# Altium PCB SolderingStation.PcbDoc (part 2 of 2) (continued)
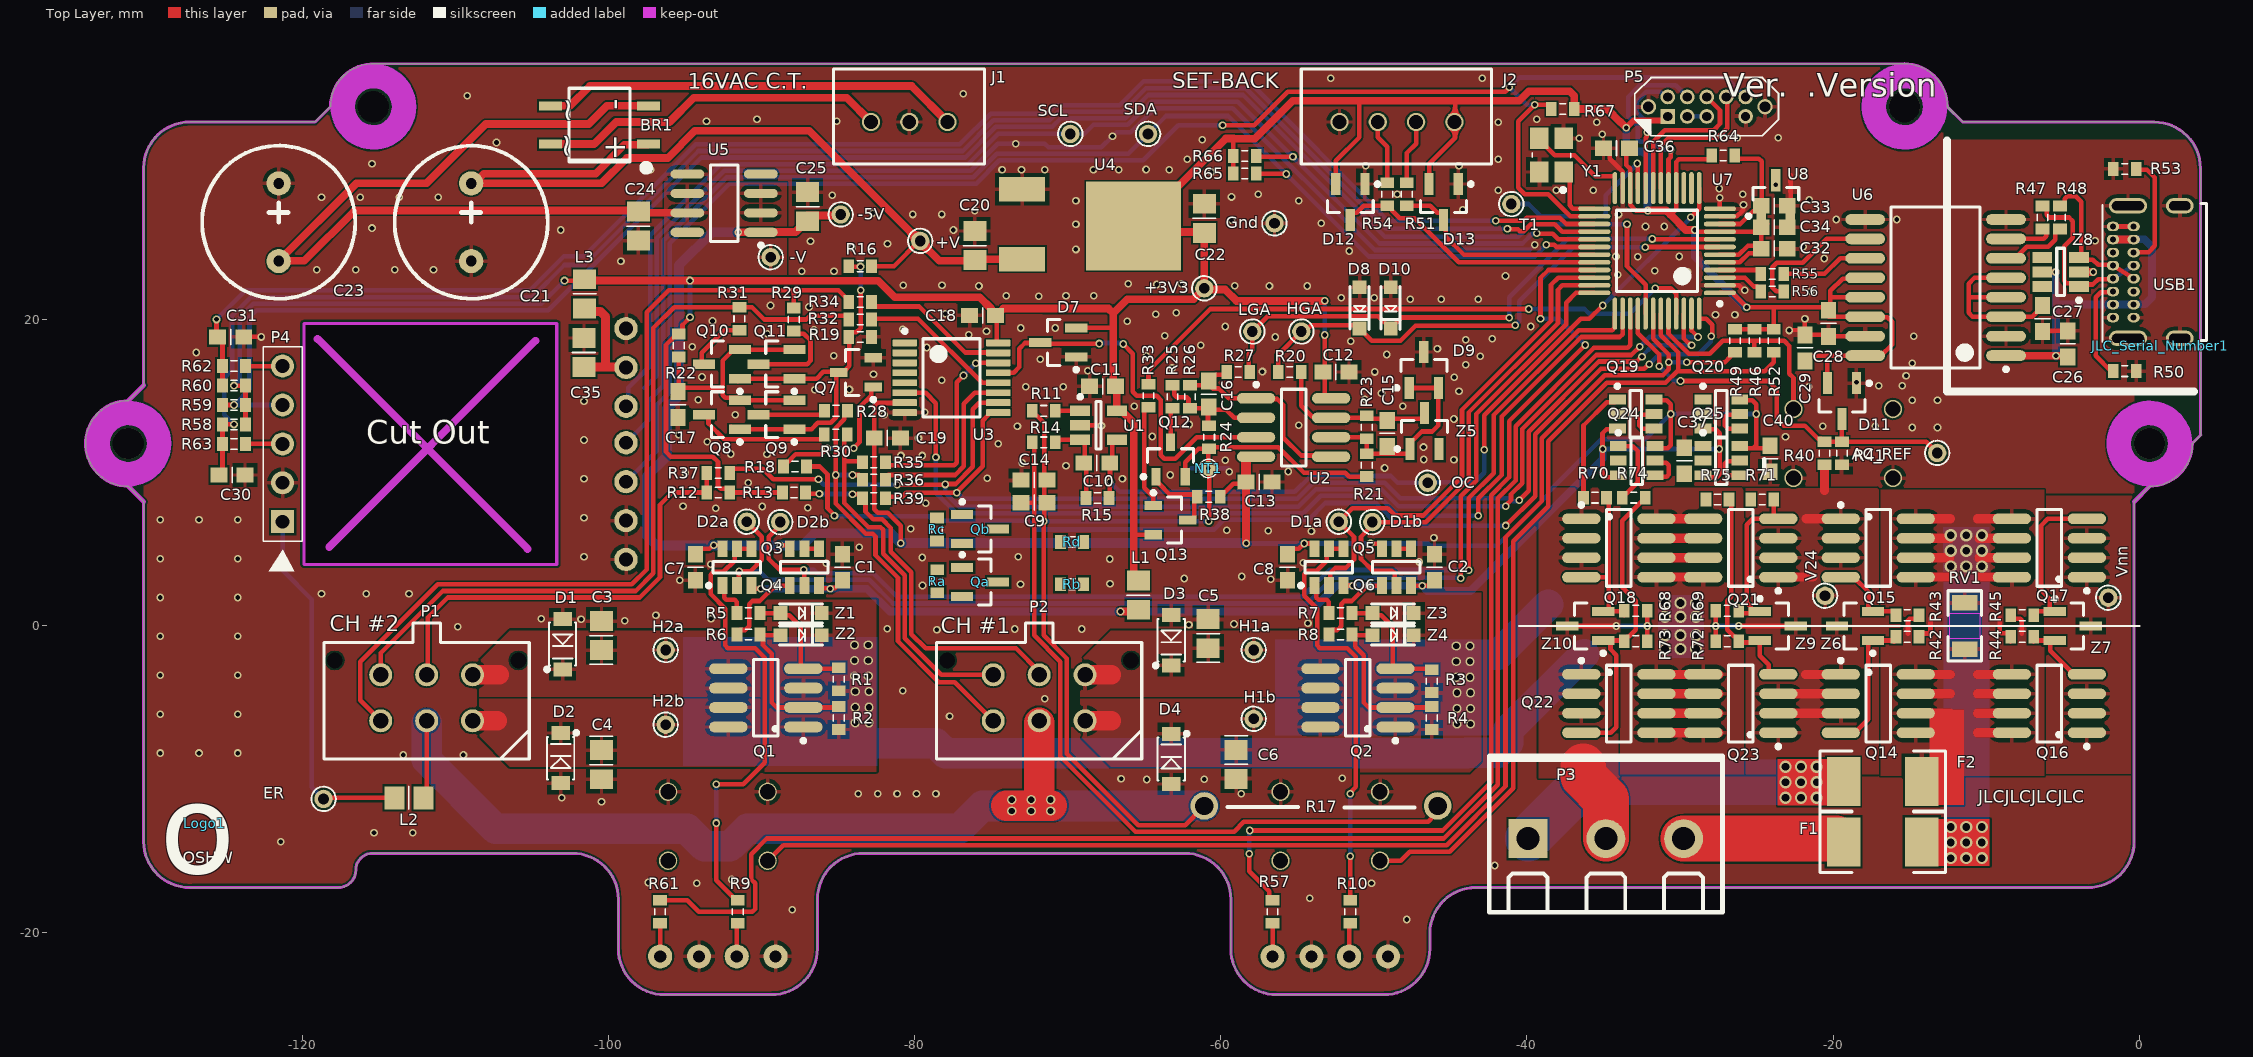
[diagram p0: Top Layer view]
## Nets (pads, with @x,y where several pads share a name; then routed paths per layer and width w, separated by ;. In a path a pad name is that pad's centre, name@x,y a point inside that pad or via, vN(x,y) a via of type N, cw(c..) or ccw(c..) an arc to the next point about the centre after c; other vN are vias at no path point) (continued)
NetJ2_2: J2.2 R51.2 | length 4.2
  Top Layer w0.3: R51.2@-47.855,28.952 -47.855,30.889 -47.24,31.504 J2.2@-47.24,32.917
NetJ2_3: J2.3 R54.2 | length 4.2
  Top Layer w0.3: J2.3@-49.74,32.917 -49.74,31.927 -49.125,31.312 R54.2@-49.125,28.952
NetP4_3: P4.3 R63.1 | length 2.4
  Top Layer w0.3: R63.1@-123.698,11.893 P4.3@-121.273,11.893
NetP4_5: P4.5 R62.1 | length 2.4
  Top Layer w0.3: R62.1@-123.698,16.973 P4.5@-121.273,16.973
NetQ1_2: Q1.2 R2.1 R6.2 Z2.A | length 10.3
  Top Layer w0.3: R6.2@-90.094,-0.553 R6.2@-90.038,-0.609 ; Z2.A@-88.762,-0.609 -89.894,-0.609 R6.2@-90.038,-0.609 ; R2.1@-85.205,-5.264 -85.267,-5.326 Q1.2@-87.262,-5.326 -89.003,-5.326 -89.331,-4.998 -89.331,-1.824 -89.894,-1.262 -89.894,-0.753 R6.2@-90.038,-0.609
NetQ1_4: Q1.4 R1.1 R5.2 Z1.A | length 7.8
  Top Layer w0.3: R5.2@-90.094,0.844 -90.09,0.84 Z1.A@-89.017,0.84 ; Z1.A@-88.952,0.713 -88.181,0.713 -87.423,-0.045 -87.423,-2.675 -87.312,-2.786 Q1.4@-87.262,-2.786 -85.267,-2.786 R1.1@-85.205,-2.724
NetQ2_2: Q2.2 R4.1 R8.2 Z4.A | length 12.5
  Top Layer w0.3: R8.2@-51.424,-0.553 R8.2@-51.368,-0.609 ; Z4.A@-50.092,-0.609 R8.2@-51.368,-0.609 ; R4.1@-46.535,-5.264 -46.597,-5.326 Q2.2@-48.642,-5.326 ; R4.1@-46.47,-5.264 -46.532,-5.326 Q2.2@-48.642,-5.326 ; R8.2@-51.368,-0.609 -51.224,-0.753 -51.224,-1.356 -50.661,-1.919 -50.661,-4.998 -50.333,-5.326 Q2.2@-48.642,-5.326
NetQ2_4: Q2.4 R3.1 R7.2 Z3.A | length 8
  Top Layer w0.3: R7.2@-51.424,0.844 -51.42,0.84 Z3.A@-50.347,0.84 ; Z3.A@-50.282,0.713 -49.511,0.713 -48.753,-0.045 -48.753,-2.625 Q2.4@-48.592,-2.786 R3.1@-46.597,-2.786 ; R3.1@-46.535,-2.724 R3.1@-46.597,-2.786 ; R3.1@-46.47,-2.851 -46.535,-2.786 R3.1@-46.597,-2.786
NetQ3_1: Q3.1 R5.1 | length 2.5
  Top Layer w0.3: Q3.1@-92.556,2.64 -92.428,2.512 -92.428,1.857 -92.284,1.713 -91.751,1.713 -91.607,1.569 -91.607,0.857 R5.1@-91.594,0.844
NetQ4_1: Q4.1 R6.1 | length 5.7
  Top Layer w0.3: R6.1@-91.594,-0.553 -91.594,-0.463 -91.394,-0.263 -91.047,-0.263 -90.805,-0.021 -90.805,1.429 -90.604,1.63 -90.106,1.63 -89.097,2.64 Q4.1@-88.148,2.64
NetQ4_4: Q4.4 Q4.5 | length 0.9
  Top Layer w0.3: Q4.5@-87.198,5.04 Q4.4@-86.248,5.04
NetQ5_1: Q5.1 R7.1 | length 2.5
  Top Layer w0.3: Q5.1@-53.886,2.64 -53.758,2.512 -53.758,1.857 -53.614,1.713 -53.081,1.713 -52.937,1.569 -52.937,0.857 R7.1@-52.924,0.844
NetQ6_1: Q6.1 R8.1 | length 5.7
  Top Layer w0.3: R8.1@-52.924,-0.553 -52.924,-0.463 -52.724,-0.263 -52.377,-0.263 -52.135,-0.021 -52.135,1.429 -51.934,1.63 -51.436,1.63 -50.427,2.64 Q6.1@-49.478,2.64
NetQ6_4: Q6.4 Q6.5 | length 0.9
  Top Layer w0.3: Q6.5@-48.528,5.04 Q6.4@-47.578,5.04
NetQ7_1: Q7.1 R18.1 | length 9.7
  Top Layer w0.3: R18.1@-88.558,10.419 -88.558,10.519 -88.358,10.719 -88.258,10.719 -87.77,11.206 -86.106,11.206 v1(-85.7,11.613) ; v1(-83.972,11.613) -83.591,11.994 -83.591,14.28 -82.83,15.041 -82.83,15.481 Q7.1@-82.695,15.616
  Bottom Layer w0.3: v1(-85.7,11.613) v1(-83.972,11.613)
NetQ7_3: Q7.3 Q8.1 Q9.1 Q10.1 Q11.1 R16.2 R19.2 | length 25.5
  Top Layer w0.3: Q8.1@-91.971,12.998 -91.821,12.848 Q8.1@-91.396,12.848 Q9.1@-87.89,12.848 ; Q10.1@-91.546,16 Q10.1@-91.396,16.15 Q11.1@-87.89,16.15 ; Q9.1@-87.84,12.848 -87.83,12.859 -86.725,12.859 -86.309,13.276 -85.464,13.276 -85.118,13.622 Q7.3@-85.118,16.566 ; Q11.1@-87.84,16.15 -86.394,16.15 -85.948,16.596 -85.248,16.596 -85.217,16.566 Q7.3@-85.118,16.566 ; Q7.3@-84.945,16.566 Q7.3@-85.118,16.566 ; Q7.3@-84.945,16.596 -84.639,16.596 -84.52,16.716 -84.252,16.984 R19.2@-84.252,18.84 ; R19.2@-84.304,18.877 -84.304,18.977 -84.104,19.177 -83.799,19.177 -83.515,19.461 v1(-83.515,21.925) ; R16.2@-84.291,23.5 -84.265,23.474 v1(-83.531,23.474)
  Bottom Layer w0.3: v1(-83.531,23.474) -83.515,23.459 v1(-83.515,21.925)
NetQ8_3: Q8.3 R30.2 | length 8.6
  Top Layer w0.3: Q8.3@-93.56,13.75 -93.458,13.648 -93.458,13.224 -92.435,12.202 -86.091,12.202 R30.2@-85.906,12.386
NetQ9_3: Q9.3 R28.2 | length 4.2
  Top Layer w0.3: Q9.3@-90.14,13.798 R28.2@-85.901,13.798
NetQ10_3: Q10.3 R31.2 | length 3.8
  Top Layer w0.3: Q10.3@-93.746,17.1 -93.888,17.242 -93.888,17.851 -92.419,19.321 R31.2@-91.491,19.321
NetQ11_3: Q11.3 R29.2 | length 6.2
  Top Layer w0.3: Q11.3@-90.19,17.1 -87.019,17.1 -86.792,17.328 -86.792,18.648 -87.23,19.087 -87.701,19.087 R29.2@-87.884,19.27
NetQ12_1: Q12.1 Q13.3 R38.2 | length 5.1
  Top Layer w0.3: Q12.1@-64.221,9.751 -64.221,9.476 -64.071,9.326 -64.058,9.326 -63.322,8.59 -61.685,8.59 R38.2@-61.532,8.438 ; Q13.3@-62.146,6.914 -61.871,6.914 -61.721,7.064 R38.2@-61.721,8.248
NetQ12_3: Q12.3 R25.2 | length 2.3
  Top Layer w0.3: Q12.3@-63.271,12.001 -63.271,14.038 R25.2@-63.094,14.215
NetQ13_1: Q13.1 R33.1 | length 6.8
  Top Layer w0.3: R33.1@-64.719,14.292 -64.799,14.292 -64.999,14.092 -64.999,9.022 -64.415,8.438 -64.415,7.882 Q13.1@-64.396,7.864
NetQ14_4: Q14.4 R42.2 Z6.1 | length 9
  Top Layer w0.3: Q14.4@-19.456,-6.969 -18.604,-6.969 -17.721,-6.087 Z6.1@-17.721,-1.119 ; Z6.1@-17.721,-0.935 Z6.1@-17.721,-1.119 ; R42.2@-16.028,-1.012 -16.094,-0.946 -17.405,-0.946 -17.455,-0.946 -17.548,-0.946 Z6.1@-17.721,-1.119
NetQ15_4: Q15.4 R43.2 Z6.2 | length 4.9
  Top Layer w0.3: Q15.4@-19.456,3.191 -18.656,3.191 -17.691,2.226 -17.691,1.127 -17.518,0.954 -17.405,0.954 R43.2@-16.094,0.954
NetQ16_4: Q16.4 R44.1 Z7.2 | length 4.5
  Top Layer w0.3: R44.1@-6.908,-1.012 -6.842,-0.946 Z7.2@-5.82,-0.946 ; Z7.2@-5.815,-1.114 Z7.2@-5.647,-0.946 ; Z7.2@-5.481,-0.946 -5.531,-0.946 Z7.2@-5.647,-0.946 ; Q16.4@-4.28,-3.159 -5.82,-1.62 Z7.2@-5.82,-0.946 ; Z7.2@-5.82,-0.946 Z7.2@-5.647,-0.946
NetQ17_4: Q17.4 R45.1 Z7.1 | length 10.4
  Top Layer w0.3: R45.1@-6.842,0.954 Z7.1@-5.756,0.954 ; -5.983,7.001 -6.43,6.554 -6.43,2.344 -5.846,1.76 -5.846,1.043 Z7.1@-5.756,0.954 ; -5.983,7.001 Q17.4@-3.48,7.001 ; Z7.1@-5.481,0.954 Z7.1@-5.756,0.954
NetQ18_4: Q18.4 R68.1 R70.2 Z10.2 | length 10.7
  Top Layer w0.3: Q18.4@-36.449,3.191 -34.687,3.191 -34.671,3.175 ; Z10.2@-35.02,0.95 Z10.2@-34.821,0.95 ; R70.2@-34.671,8.255 -34.671,3.175 ; R68.1@-33.643,0.7 -33.643,0.75 -33.843,0.95 Z10.2@-34.821,0.95 ; Z10.2@-34.821,0.95 -34.671,1.1 -34.671,3.175
NetQ19_1: Q19.1 R70.1 | length 7.6
  Top Layer w0.3: R70.1@-36.31,8.382 -36.31,13.093 -34.785,14.618 -34.268,14.618 Q19.1@-34.093,14.793
NetQ19_4: Q19.4 Q19.5 | length 2.7
  Top Layer w0.3: Q19.4@-31.693,12.893 -32.476,12.893 -32.652,13.069 -32.652,13.667 -32.517,13.802 -31.734,13.802 Q19.5@-31.693,13.843
NetQ20_1: Q20.1 R71.1
NetQ20_4: Q20.4 Q20.5 | length 2.7
  Top Layer w0.3: Q20.4@-26.105,12.893 -26.888,12.893 -27.064,13.069 -27.064,13.667 -26.929,13.802 -26.146,13.802 Q20.5@-26.105,13.843
NetQ21_4: Q21.4 R69.1 R71.2 Z9.1 | length 10.7
  Top Layer w0.3: R69.1@-25.974,0.823 Z9.1@-24.797,0.823 ; Z9.1@-25.222,0.823 -25.372,0.973 -25.372,1.242 -25.654,1.524 -25.654,6.604 -25.257,7.001 Q21.4@-23.703,7.001 ; R71.2@-23.888,8.255 -23.888,7.186 Q21.4@-23.703,7.001 ; Q21.4@-23.585,7.001 Q21.4@-23.703,7.001
NetQ22_4: Q22.4 R73.1 R74.2 Z10.1 | length 20.2
  Top Layer w0.3: Q22.4@-36.449,-6.969 -34.528,-6.969 -34.163,-6.604 -34.163,-1.905 -34.544,-1.524 -34.544,-1.1 Z10.1@-34.694,-0.95 ; Z10.1@-35.02,-0.95 Z10.1@-34.694,-0.95 ; R73.1@-33.843,-0.95 Z10.1@-34.694,-0.95 ; R73.1@-33.643,-1 -33.643,-0.9 -33.443,-0.7 -33.343,-0.7 -32.893,-0.25 -32.893,1.651 -33.77,2.528 -33.77,6.882 R74.2@-32.27,8.382
NetQ23_4: Q23.4 R72.1 R75.2 Z9.2 | length 13.7
  Top Layer w0.3: R75.2@-26.67,8.255 -26.67,1.905 -26.924,1.651 -26.924,-0.25 -26.474,-0.7 -26.374,-0.7 -26.174,-0.9 R72.1@-26.174,-1 ; R72.1@-25.974,-1.077 -24.797,-1.077 -24.797,-1.947 -24.209,-2.535 -24.209,-2.974 -24.024,-3.159 Q23.4@-23.585,-3.159
NetQ24_1: Q24.1 R74.1 | length 4.9
  Top Layer w0.3: Q24.1@-34.036,11.745 -33.081,11.745 -32.766,11.43 -32.766,9.386 -33.47,8.682 -33.57,8.682 -33.77,8.482 R74.1@-33.77,8.382
NetQ24_4: Q24.4 Q24.5 | length 2.7
  Top Layer w0.3: Q24.4@-31.693,9.718 -31.652,9.759 -30.869,9.759 -30.734,9.894 -30.734,10.492 -30.91,10.668 Q24.5@-31.693,10.668
NetQ25_1: Q25.1 R75.1
NetQ25_4: Q25.4 Q25.5 | length 2.7
  Top Layer w0.3: Q25.4@-26.105,9.845 -26.888,9.845 -27.064,10.021 -27.064,10.619 -26.929,10.754 -26.146,10.754 Q25.5@-26.105,10.795
NetR11_1: R11.1 U1.1 | length 1.4
  Top Layer w0.3: R11.1@-70.536,14.002 -70.475,14.063 U1.1@-69.184,14.063
NetR32_1: R32.1 U3.12 | length 9.9
  Top Layer w0.3: R32.1@-82.677,20.075 -79.773,20.075 -75.584,15.886 U3.12@-74.535,15.886
NetR34_1: R34.1 U3.15 | length 9.5
  Top Layer w0.3: R34.1@-82.804,21.064 -82.604,20.864 -79.698,20.864 -76.696,17.862 -74.661,17.862 U3.15@-74.635,17.836
NetR35_1: R35.1 U3.14 | length 13.4
  Top Layer w0.3: R35.1@-81.915,10.75 -81.915,10.696 -81.715,10.496 -77.406,10.496 -77.23,10.672 -77.23,15.932 v1(-76.802,16.359) ; v1(-76.011,17.151) -75.975,17.186 U3.14@-74.535,17.186
  Bottom Layer w0.3: v1(-76.802,16.359) v1(-76.011,17.151)
NetR36_1: R36.1 U3.11 | length 12
  Top Layer w0.3: R36.1@-81.915,9.607 -81.915,9.661 -81.715,9.861 -77.342,9.861 -76.777,10.426 -76.777,14.515 -76.056,15.236 U3.11@-74.635,15.236
NetR47_1: R47.1 U6.7 | length 4
  Top Layer w0.3: U6.7@-9.511,25.281 -8.761,25.281 -6.248,25.281 -6.072,25.457 R47.1@-6.072,25.916
NetR48_1: R48.1 U6.6 | length 5.5
  Top Layer w0.3: U6.6@-9.593,24.011 -8.111,24.011 -7.357,24.766 -5.953,24.766 -5.483,25.235 -5.483,25.728 -5.283,25.928 R48.1@-5.183,25.928
NetR50_1: R50.1 USB1.A5 | length 6.6
  Top Layer w0.3: R50.1@-1.804,16.645 -1.854,16.645 -2.859,17.65 -2.859,21.471 -2.534,21.797 -1.769,21.797 USB1.A5@-1.723,21.842
NetR53_1: R53.1 USB1.B5 | length 7.5
  Top Layer w0.3: USB1.B5@-0.374,24.392 -0.345,24.421 0.598,24.421 1.002,24.825 1.002,29.294 0.494,29.802 -0.153,29.802 R53.1@-0.204,29.853
NetR55_1: R55.1 U6.11 | length 5.8
  Top Layer w0.3: R55.1@-23.229,22.995 -20.566,22.995 -19.55,24.011 U6.11@-17.811,24.011
NetR56_1: R56.1 U6.10 | length 9.1
  Top Layer w0.3: R56.1@-23.229,21.852 -23.725,21.852 -23.979,22.106 -23.979,23.437 -23.694,23.722 -21.982,23.722 -20.423,25.281 U6.10@-17.811,25.281
OVERCURRENT: C10.2 OC.1 R15.2 U1.4 U7.13 | length 54
  Top Layer w0.3: R15.2@-67.297,8.438 -67.248,8.487 v1(-67.248,9.41) -67.234,9.423 C10.2@-67.234,10.573 ; C10.2@-67.095,10.712 U1.4@-67.095,12.224 ; v1(-42.78,11.511) -42.78,13.769 -36.483,20.066 -35.92,20.066 v1(-35.052,20.934) ; v1(-29.312,26.7) -28.753,27.258 U7.13@-28.753,28.602
  Bottom Layer w0.3: v1(-67.248,9.41) -66.605,8.768 -55.157,8.768 -54.13,9.795 -48.895,9.795 -48.452,9.352 OC.1@-46.482,9.352 ; OC.1@-46.457,9.352 -46.429,9.38 -43.406,9.38 -42.78,10.006 v1(-42.78,11.511) ; v1(-35.052,20.934) v1@-29.312,26.675
QUAD_A: C30.2 R58.1 R63.2 U7.28 | length 111.1
  Top Layer w0.3: C30.2@-125.425,9.861 -125.198,10.088 R58.1@-125.198,13.163 v1(-124.448,13.163) ; v1(-41.275,25.938) -41.237,25.9 -40.583,25.9 -40.472,25.789 -40.211,25.789 -39.757,26.243 -38.181,26.243 -37.69,25.752 U7.28@-35.603,25.752
  Bottom Layer w0.3: v1(-124.448,13.163) -125.083,13.798 -125.083,16.211 -124.575,16.719 -124.575,20.244 -123.355,21.464 -104.971,21.464 -102.858,23.577 -101.557,23.577 -94.11,31.024 -76.863,31.024 -74.866,33.021 -71.183,33.021 -70.612,33.592 -66.416,33.592 -64.884,35.125 -58.373,35.125 -49.187,25.938 v1(-41.275,25.938)
QUAD_B: C31.2 R60.1 R62.2 U7.27 | length 104.9
  Top Layer w0.3: v1(-125.591,20.021) -125.591,18.956 C31.2@-125.513,18.878 -125.198,18.563 R60.1@-125.198,15.703 ; v1(-42.037,26.465) -42.026,26.454 -41.504,26.454 -41.493,26.465 -40.21,26.465 -40.005,26.67 -37.846,26.67 -37.428,26.252 U7.27@-35.603,26.252
  Bottom Layer w0.3: v1(-125.591,20.021) -123.686,21.926 -105.113,21.926 -102.891,24.149 -101.59,24.149 -94.287,31.451 -77.039,31.451 -75.033,33.458 -71.35,33.458 -70.789,34.019 -66.593,34.019 -65.044,35.568 -58.182,35.568 -49.079,26.465 v1(-42.037,26.465)
QUAD_BTN: P4.4 R59.1 U7.41 | length 116.6
  Top Layer w0.3: R59.1@-125.198,14.433 v1(-124.448,14.433) ; v1(-33.466,26.233) -33.466,23.488 -32.253,22.276 U7.41@-32.253,20.402
  Bottom Layer w0.3: P4.4@-121.273,14.433 v1(-124.448,14.433) -123.432,15.449 -123.432,20.18 -123.002,20.61 -103.92,20.61 -93.933,30.597 -76.686,30.597 -74.689,32.594 -71.006,32.594 -70.435,33.165 -66.239,33.165 -64.725,34.679 -58.538,34.679 -49.269,25.411 -40.581,25.411 -39.759,26.233 v1(-33.466,26.233)
RESETb: OLED1.3 P5.10 R67.1 U7.26 | length 107.1
  Top Layer w0.3: v1(-59.882,32.696) -57.799,32.696 -55.614,34.88 -41.424,34.88 -41.148,35.156 v1(-41.148,35.179) ; R67.1@-38.407,33.765 -38.407,33.836 -38.607,34.036 v1(-39.497,34.036) -40.578,32.955 -40.578,28.634 -40.147,28.202 -38.616,28.202 -37.166,26.752 U7.26@-35.553,26.752
  Bottom Layer w0.3: OLED1.3@-98.843,9.425 -96.85,11.419 -96.85,14.407 -95.987,15.27 -95.987,24.988 -92.085,28.889 -75.978,28.889 -74.459,30.408 -65.065,30.408 -62.777,32.696 v1(-59.882,32.696) ; v1(-39.497,34.036) -40.005,34.036 v1(-41.148,35.179) -40.505,35.822 -26.989,35.822 P5.10@-25.719,34.552
SCL: OLED1.5 R66.1 SCL.1 U7.29 | length 83.9
  Top Layer w0.3: R66.1@-57.684,30.689 -57.632,30.637 -55.377,30.637 -55.375,30.639 v1(-55.284,30.639) ; v1(-39.37,25.654) -39.332,25.616 -38.316,25.616 -37.952,25.252 U7.29@-35.553,25.252
  Bottom Layer w0.3: OLED1.5@-98.843,14.345 -98.702,14.487 -98.702,15.557 -97.268,16.992 -97.268,25.519 -92.616,30.17 -76.509,30.17 -74.54,32.139 SCL.1@-69.826,32.139 -68.896,32.139 -68.31,32.726 -66.074,32.726 -64.548,34.252 -58.898,34.252 v1(-55.284,30.639) -49.63,24.984 -40.294,24.984 -39.662,25.616 -39.408,25.616 v1(-39.37,25.654)
SDA: OLED1.4 R65.1 SDA.1 U7.30 | length 84.5
  Top Layer w0.3: R65.1@-57.684,29.546 -55.741,29.546 v1(-55.716,29.521) ; v1(-38.735,24.892) -38.227,24.892 -38.087,24.752 U7.30@-35.603,24.752
  Bottom Layer w0.3: OLED1.4@-98.843,11.965 -97.409,13.4 -97.409,14.686 -96.414,15.681 -96.414,25.165 -92.262,29.316 -76.155,29.316 -74.636,30.835 -66.05,30.835 SDA.1@-64.746,32.139 -63.577,33.309 -59.504,33.309 v1(-55.716,29.521) -50.325,24.13 -39.497,24.13 v1(-38.735,24.892)
SEL_BTN: R46.1 S1.2 U7.44 | length 15.2
  Top Layer w0.3: U7.44@-30.753,20.402 -30.753,19.088 -29.442,17.776 -28.071,17.776 -27.224,18.623 -25.147,18.623 ; R46.1@-25.146,17.873 R46.1@-25.146,17.873 -25.147,18.623 ; S1.2@-22.593,14.167 -22.593,14.4 -22.593,16.21 -22.86,16.477 -22.86,18.288 -23.195,18.623 -25.147,18.623
SPARE1: T1.1 U7.21 | length 11.9
  Top Layer w0.3: v1(-32.791,30.205) -32.753,30.167 U7.21@-32.753,28.602
  Bottom Layer w0.3: T1.1@-40.603,27.559 -39.899,27.559 -39.091,26.751 -35.025,26.751 -34.849,26.927 -34.849,28.123 -32.791,30.18 v1(-32.791,30.205)
SWD_CLK: P5.4 U7.17 | length 12.5
  Top Layer w0.3: U7.17@-30.753,28.602 -30.753,30.48 -30.607,30.626 v1(-30.607,31.115)
  Bottom Layer w0.3: v1(-30.607,31.115) -31.242,31.115 -31.75,31.623 -32.59,31.623 -32.766,31.799 -32.766,32.639 -33.385,33.258 -33.385,34.549 -32.624,35.309 -30.286,35.309 P5.4@-29.529,34.552
SWD_DIO: P5.2 U7.20 | length 8.5
  Top Layer w0.3: U7.20@-32.253,28.552 -32.253,31.877 -32.169,31.961 -32.169,32.22 v1(-32.131,32.258)
  Bottom Layer w0.3: v1(-32.131,32.258) -32.131,32.893 -32.378,33.14 -32.391,33.14 -32.846,33.596 -32.846,34.239 -32.205,34.88 -31.305,34.88 -30.977,34.552 P5.2@-30.799,34.552
SWD_Rx: P5.8 U7.18 | length 9.6
  Top Layer w0.3: U7.18@-31.253,28.602 -31.253,31.358 -30.734,31.877 -27.559,31.877 -26.924,32.512 -26.924,34.487 P5.8@-26.989,34.552
SWD_Tx: P5.6 U7.19 | length 10
  Top Layer w0.3: U7.19@-31.753,28.552 -31.753,31.623 -30.991,32.385 -27.813,32.385 -27.395,32.803 -27.395,33.688 P5.6@-28.259,34.552
USBD_N: R55.2 U7.4 | length 2.9
  Top Layer w0.3: U7.4@-27.453,23.252 -24.952,23.252 -24.729,23.029 R55.2@-24.729,22.995
USBD_P: R56.2 U7.3 | length 3.1
  Top Layer w0.3: U7.3@-27.445,22.744 -25.76,22.744 -25.191,22.175 -24.952,22.175 -24.729,21.952 R56.2@-24.729,21.852
USBD_R_N: R48.2 USB1.A7 USB1.B7 Z8.3 | length 10.1
  Top Layer w0.3: R48.2@-5.183,27.428 -5.083,27.428 -4.883,27.628 -4.883,27.9 -4.708,28.075 -4.16,28.075 -3.796,27.711 Z8.3@-3.796,24.247 ; Z8.3@-4.304,24.247 -4.129,24.072 Z8.3@-3.945,24.072 ; Z8.3@-4.011,24.006 -3.938,23.933 -3.035,23.933 -2.69,23.588 -1.769,23.588 USB1.A7@-1.723,23.542 USB1.B7@-0.374,22.692
  Bottom Layer w0.3: USB1.A7@-1.9,23.542 USB1.A7@-1.723,23.542
USBD_R_P: R47.2 USB1.A6 USB1.B6 Z8.1 | length 12.1
  Top Layer w0.3: R47.2@-6.326,27.428 -6.264,27.428 -6.064,27.228 -6.064,26.854 -5.889,26.678 -4.597,26.678 -4.35,26.431 -4.35,25.355 -4.916,24.789 -4.916,22.548 -4.74,22.372 -4.145,22.372 Z8.1@-3.945,22.172 ; Z8.1@-4.067,22.172 -3.938,22.302 -3.045,22.302 -2.695,22.652 -1.764,22.652 USB1.A6@-1.723,22.692
  Bottom Layer w0.3: USB1.A6@-1.785,22.754 USB1.A6@-1.723,22.692 USB1.B6@-0.374,23.542
V12: P3.2 Q18.1 Q18.2 Q18.3 Q22.1 Q22.2 Q22.3 R68.2 R73.2 Z10.3 | length 11.9
  Top Layer w0.3: Z10.3@-37.37,0 v1(-34.163,0) ; R73.2@-32.143,-0.7 v1(-32.143,0) R68.2@-32.143,0.7
  Top Layer w3: -36.322,-9.19 -36.322,-9.825 -34.849,-11.298 P3.2@-34.849,-13.889
  Bottom Layer w0.3: v1(-34.163,0) v1(-32.143,0)
V24: Q14.1 Q14.2 Q14.3 Q15.1 Q15.2 Q15.3 Q21.1 Q21.2 Q21.3 Q23.1 Q23.2 Q23.3 R40.1 R69.2 R72.2 V24.1 Z6.3 Z9.3 | length 24.1
  Top Layer w0.3: R72.2@-27.674,-1 v1(-27.674,0) R69.2@-27.674,1 ; v1(-26.162,0) Z9.3@-22.447,0
  Top Layer w0.6: Q21.1@-23.635,3.191 -21.336,3.191 ; Q23.2@-23.585,-5.699 Q14.3@-19.506,-5.699 Q14.3@-19.456,-5.699 ; Q23.3@-23.585,-4.429 Q14.2@-19.506,-4.429 Q14.2@-19.456,-4.429 ; -21.805,-3.159 Q14.1@-19.506,-3.159 ; -21.755,7.001 Q15.1@-19.506,7.001 Q15.1@-19.456,7.001 ; -20.574,8.844 R40.1@-20.574,10.526 ; Q15.3@-19.506,4.461 Q15.3@-19.456,4.461
  Bottom Layer w0.3: v1(-27.674,0) v1(-26.162,0)
Vdd1: C27.2 U6.3 U6.4 U6.5 | length 11.7
  Top Layer w0.3: U6.3@-8.811,20.201 -10.898,20.201 -11.152,20.455 -11.152,21.408 ; U6.4@-8.811,21.471 -11.089,21.471 -11.152,21.408 ; U6.5@-8.811,22.741 -10.771,22.741 -11.152,22.36 -11.152,21.408 ; U6.3@-8.43,20.201 -6.999,20.201 -6.326,20.874 C27.2@-6.326,20.924
Vnn: C9.2 Q16.1 Q16.2 Q16.3 Q17.1 Q17.2 Q17.3 R14.2 R17.1 Vnn.1 Z7.3 | length 49.7
  Top Layer w0.3: C9.2@-73.037,8.057 -72.212,8.057 -72.187,8.031 ; R14.2@-72.302,11.994 -72.187,11.879 -72.187,8.031 ; R17.1@-45.835,-11.754 -45.835,-12.16 -46.279,-12.603 -46.279,-12.62 -46.455,-12.795 -58.485,-12.795 -59.12,-13.43 -65.565,-13.43 -70.473,-8.522 -70.473,-2.331 -72.187,-0.617 -72.187,8.031
VpCh1: Q2.1 Q2.3 Q18.5 Q18.6 Q18.7 Q18.8 Q21.5 Q21.6 Q21.7 Q21.8 R3.2 R4.2 Z3.K Z4.K | length 23.6
  Top Layer w0.6: Q18.5@-31.599,3.191 Q21.8@-28.485,3.191 ; Q18.6@-31.599,4.461 Q21.7@-28.485,4.461 ; Q18.7@-31.599,5.731 Q21.6@-28.485,5.731 ; Q18.8@-31.599,7.001 Q21.5@-28.485,7.001
  Bottom Layer w2: v3(-44.617,-3.344) v3@-43.791,-3.344 ; -43.791,-5.834 -43.791,-4.364 v3@-43.791,-3.344 ; -38.609,1.396 -41.886,-1.881 -43.356,-1.881 -43.356,-1.899 -43.429,-1.971 -43.429,-2.029 v3(-43.728,-2.328) v3(-43.728,-3.344) v3@-43.791,-3.344
  other v2: -30.988,0.6 -29.972,0.6 -28.956,0.6 -30.988,1.5 -29.972,1.5 -28.956,1.5
  other v3: -44.577,-6.396 -43.688,-6.396 -44.577,-5.38 -43.688,-5.38 -44.577,-4.364 -43.688,-4.364 -44.617,-2.328 -44.617,-1.312 -43.728,-1.312
VpCh2: Q1.1 Q1.3 Q22.5 Q22.6 Q22.7 Q22.8 Q23.5 Q23.6 Q23.7 Q23.8 R1.2 R2.2 Z1.K Z2.K | length 73.4
  Top Layer w0.6: Q22.5@-31.549,-6.969 Q23.8@-27.47,-6.969 ; Q22.6@-31.549,-5.699 Q23.7@-27.47,-5.699 ; Q22.7@-31.549,-4.429 Q23.6@-27.47,-4.429 ; Q22.8@-31.549,-3.159 Q23.5@-27.47,-3.159
  Bottom Layer w2: -88.761,-4.921 -86.017,-7.666 -78.613,-7.666 -77.979,-8.3 -43.941,-8.3 -43.926,-8.285 -41.89,-8.285 -41.229,-7.625 -41.229,-6.812 -36.26,-1.843
  other v2: -30.988,-1.5 -29.972,-1.5 -28.956,-1.5 -30.988,-0.6 -29.972,-0.6 -28.956,-0.6
  other v3: -83.871,-6.32 -82.982,-6.32 -83.871,-5.304 -82.982,-5.304 -83.871,-4.288 -82.982,-4.288 -83.911,-3.268 -83.022,-3.268 -83.91,-2.252 -83.022,-2.252 -83.91,-1.237 -83.022,-1.237
VrefH: C33.2 R64.2 U7.10 U8.1 | length 8.2
  Top Layer w0.3: U7.10@-27.453,26.252 -26.503,26.252 -26.076,26.252 -25.238,27.09 -25.102,27.09 -24.969,27.224 C33.2@-24.969,27.652 ; R64.2@-26.428,30.734 -26.428,30.727 -26.228,30.527 -24.851,30.527 -24.675,30.352 -24.675,27.467 C33.2@-24.702,27.44
XTAL: U7.25 Y1.1 | length 4
  Top Layer w0.3: Y1.1@-37.603,29.652 -37.215,29.264 -37.215,27.471 -36.997,27.252 U7.25@-35.603,27.252
XTAL32: U7.14
pads on no net: P1.0 P2.0 Q19.2 Q20.2 Q24.2 Q25.2 Qa.1 Qa.2 Qa.3 Qb.1 Qb.2 Qb.3 Ra.1 Ra.2 Rb.1 Rb.2 Rc.1 Rc.2 Rd.1 Rd.2 S1.2b S2.2b S3.2b SP1.0 SP2.0 SP3.0 SP4.0 U3.1 U3.2 U3.3 U3.4 U3.5 U5.4 U5.8 U8.3 USB1.A8 USB1.B8 Z5.2 Z8.4 Z8.6

## Polygon pours and split planes (outlines as drawn)
GND on Top Layer "Top Layer GND" (solid, remove dead copper, pour order 26): -117.971,36.716 -117.971,35.896 -120.384,33.483 -130.343,33.483 -130.343,-17.19 -100.002,-17.19 -99.343,-17.848 -99.343,-24.083 -85.332,-24.083 -85.332,-16.555 -84.316,-15.539 -61.202,-15.539 -59.551,-17.19 -59.551,-24.083 -45.454,-24.083 -45.454,-18.968 -43.803,-17.317 -0.381,-17.317 -0.333,15.121 -12.803,15.121 -12.803,36.716
AC24b on Top Layer "Top Layer AC24b" (solid, pour order 1): -16.891,0.05 -16.891,8.89 -6.223,8.89 -6.223,0.05
V24 on Top Layer "Top Layer V24" (solid, pour order 3): -15.621,8.995 -15.621,-9.698 -25.708,-9.698 -25.708,8.995
V12 on Top Layer "Top Layer V12" (solid, pour order 22): -33.909,9.016 -33.909,-9.952 -39.243,-9.952 -39.243,9.016
VpCh2 on Top Layer "Top Layer VCh2" (solid, pour order 21): -25.781,-0.05 -25.781,-9.698 -33.909,-9.698 -33.909,-0.05
VpCh1 on Top Layer "Top Layer VCh1" (solid, pour order 19): -25.781,9.016 -25.781,0.05 -33.909,0.05 -33.909,9.016
AC24a on Top Layer "Top Layer AC24a" (solid, pour order 2): -16.891,-9.779 -16.891,-0.05 -6.223,-0.05 -6.223,-9.779
Vnn on Top Layer "Top Layer Vnn" (solid, remove dead copper, pour order 23): -6.223,-9.652 -0.224,-9.652 -0.224,8.517 -6.223,8.517
VpCh2 on Top Layer "Top Layer VpCh2" (solid, pour order 6): -89.777,1.707 -89.777,-9.517 -82.488,-9.517 -82.488,1.707
VpCh1 on Top Layer "Top Layer VpCh1" (solid, pour order 4): -42.988,-8.831 -43.725,-9.567 -43.728,-9.567 -51.231,-9.567 -51.231,2.167 -42.988,2.167
Gnd_USB on Top Layer "Top Layer GND_USB" (solid, remove dead copper, pour order 25): 4.011,31.758 4.011,15.502 -12.295,15.502 -12.295,31.758
-9V on Top Layer "Top Layer -9V" (solid, pour order 24): -92.292,28.949 -88.343,28.949 -88.343,22.949 -96.343,22.949 -96.343,28.949
CH1a_Htr+ on Top Layer "Top Layer CH1a_Htr+" (solid, pour order 16): -69.191,-2.295 -67.195,-0.299 -50.788,-0.299 -50.788,-4.642 -69.191,-4.642
CH2a_Htr+ on Top Layer "Top Layer CH2a_Htr+" (solid, remove dead copper, pour order 10): -108.434,-2.295 -106.438,-0.299 -90.031,-0.299 -90.031,-4.744 -108.434,-4.744
CH1b_Htr+ on Top Layer "Top Layer CH1b_Htr+" (solid, pour order 15): -69.191,-7.193 -67.195,-9.189 -50.788,-9.189 -50.788,-4.744 -69.191,-4.744
CH2b_Htr+ on Top Layer "Top Layer CH2b_Htr+" (solid, remove dead copper, pour order 8): -108.434,-7.193 -106.438,-9.189 -90.031,-9.189 -90.031,-4.744 -108.434,-4.744
GND on Bottom Layer "Bottom Layer Gnd" (solid, remove dead copper, pour order 18): -130.343,32.975 -119.241,32.975 -118.479,33.737 -118.479,35.388 -117.209,36.716 -12.803,36.716 -12.803,15.121 -0.343,15.121 -0.344,-17.19 -43.549,-17.19 -45.581,-19.222 -45.581,-24.083 -59.678,-24.083 -59.678,-16.936 -61.456,-15.158 -84.062,-15.158 -85.84,-16.936 -85.84,-24.083 -99.302,-24.083 -99.302,-18.333 -100.191,-17.444 -130.343,-17.444
Gnd_USB on Bottom Layer "Bottom Layer Gnd_USB" (solid, remove dead copper, pour order 20): -12.295,31.885 3.986,31.885 3.986,15.502 -12.295,15.502

## Keep-outs
Keep-Out Layer:
  lines w0.2: -131.343,9.117 cw(c-131.343,11.917) -131.343,14.717 ; -130.343,8.117 -130.343,-14.083 ccw(c-127.343,-14.083) -127.343,-17.083 -117.629,-17.083 ccw(c-117.629,-15.945) -116.492,-15.945 cw(c-115.392,-15.945) -115.392,-14.845 ; -130.343,15.717 -130.343,29.917 cw(c-127.343,29.917) -127.343,32.917 ; -127.307,32.917 -119.143,32.917 -118.143,33.917 cw(c-115.343,33.917) -115.27,36.716 -15.343,36.732 ; -115.392,-14.848 -102.343,-14.848 cw(c-102.343,-17.848) -99.343,-17.848 -99.343,-21.083 ; -15.343,36.717 cw(c-15.343,33.917) -12.543,33.917 -11.543,32.917 0.986,32.917 ; -0.343,8.117 -0.343,-14.083 cw(c-3.343,-14.083) -3.343,-17.083 -43.343,-17.083 ccw(c-43.343,-20.083) -46.343,-20.083 -46.343,-21.083 cw(c-49.343,-21.083) -49.343,-24.083 -56.343,-24.083 cw(c-56.343,-21.083) -59.343,-21.083 ; 0.657,9.117 ccw(c0.657,11.917) 3.457,11.917 4.011,12.472 ; 0.986,32.904 cw(c0.986,29.904) 3.986,29.904 ; 3.996,12.472 3.996,29.904 ; -99.343,-21.083 ccw(c-96.343,-21.083) -96.343,-24.083 -89.343,-24.083 ccw(c-89.343,-21.083) -86.343,-21.083 -86.343,-17.848 cw(c-83.343,-17.848) -83.343,-14.848 -62.343,-14.848 cw(c-62.343,-17.848) -59.343,-17.848 -59.343,-21.083 ; -99.343,-21.083 -99.343,-21.083 ; -59.343,-21.083 -59.343,-21.083 ; -119.876,4.019 -119.876,19.767 -103.366,19.767 -103.366,4.019 -119.876,4.019
  lines w0.3: -131.343,9.117 -130.343,8.117 ; -131.343,14.717 -130.343,15.717 ; -0.343,8.117 0.657,9.117
  lines w0.508: -118.987,18.751 -105.271,5.035 ; -118.225,5.162 -104.763,18.624

## Other copper
Top Layer:
  rectangle net AC24a: -13.716,-11.7 -11.468,-5.461
  rectangle net AC24b: -13.589,-15.667 -9.779,-12.619
  region net NetF2_1: -19.431,-8.682 -23.622,-8.682 -23.622,-11.73 -19.431,-11.73
Bottom Layer:
  rectangle net AC24b: -12.827,3.429 -9.779,6.477
  rectangle net VpCh1: -31.448,0.032 -28.448,2.032
  rectangle net VpCh2: -31.448,-2.078 -28.448,-0.078
  rectangle net AC24b: -12.827,-15.667 -9.827,-12.667
  rectangle net NetF2_1: -23.574,-11.684 -20.574,-8.684
  rectangle net VpCh1: -56.453,-7.158 -42.356,-0.881
  rectangle net VpCh2: -95.111,-9.138 -82.411,-0.705

## Silkscreen, mask and mechanical layers (free items; w line width, h text height)
Top Overlay:
  lines w0.127: -40.513,0 0,0
  lines w0.254: -59.551,-11.83 -54.954,-11.83 ; -51.931,-11.856 -47.334,-11.856
  lines w0.3: -24.499,9.987 -24.499,10.877
  lines w0.508: -12.561,31.705 -12.561,15.322 3.568,15.322
  text "SET-BACK" at -63.158,35.109 h1.02
  text "16VAC C.T." at -94.807,35.084 h1.02
  text "Ver." at -27.178,34.554 h1.52
  text ".Version" at -21.717,34.554 h1.52
  text "Cut Out" at -115.812,11.893 h1.52
  text "CH #2" at -118.186,-0.351 h1.02
  text "CH #1" at -78.271,-0.476 h1.02
Bottom Overlay:
  lines w0.15: -67.343,25.917 -63.343,25.917 ; -65.343,23.917 -65.343,27.917
  lines w0.508: -12.561,31.705 -12.561,15.322 3.568,15.322
  text "CH #2" at -90.502,-17.695 h1.02
  text "CH #1" at -50.522,-18.076 h1.02
Top Solder:
  rectangle: -130.29,-9.316 -123.553,7.829
Bottom Solder:
  rectangle: -130.29,-9.443 -123.553,7.829
Mechanical 1:
  lines w0.2: -137.759,11.921 4.761,11.921 ; -125.247,-13.083 -41.758,-13.083 ; -100.736,-21.582 -41.504,-21.582

## Text inside footprints (layer, text, board x,y; h text height)
BR1: Top Overlay "-" at -100.072,34.421 h1.5 r270; Top Overlay "+" at -100.172,32.121 h1.5 r270; Top Overlay "~" at -103.372,32.221 h1.5 r270; Top Overlay "~" at -103.272,34.521 h1.5 r270
JLC_Serial_Number1: Top Overlay "JLCJLCJLCJLC" at -10.541,-11.557 h0.8
Logo1: Top Overlay "OSHW" at -127.801,-15.488 h0.76; Top Overlay "o" at -124.347,-18.104 h10.16
OLED1: Bottom Overlay "SDA" at -97.343,12.417 h1.02 r180; Bottom Overlay "SCL" at -97.343,14.917 h1.02 r180; Bottom Overlay "Vcc" at -97.343,17.417 h1.02 r180; Bottom Overlay "Gnd" at -97.343,19.917 h1.02 r180; Bottom Overlay "CS" at -97.343,4.797 h1.02 r180; Bottom Overlay "DC" at -97.343,7.369 h1.02 r180; Bottom Overlay "RES" at -97.343,9.869 h1.02 r180